# Allegro board P2597_B04_Allegro_layout.brd (continued)
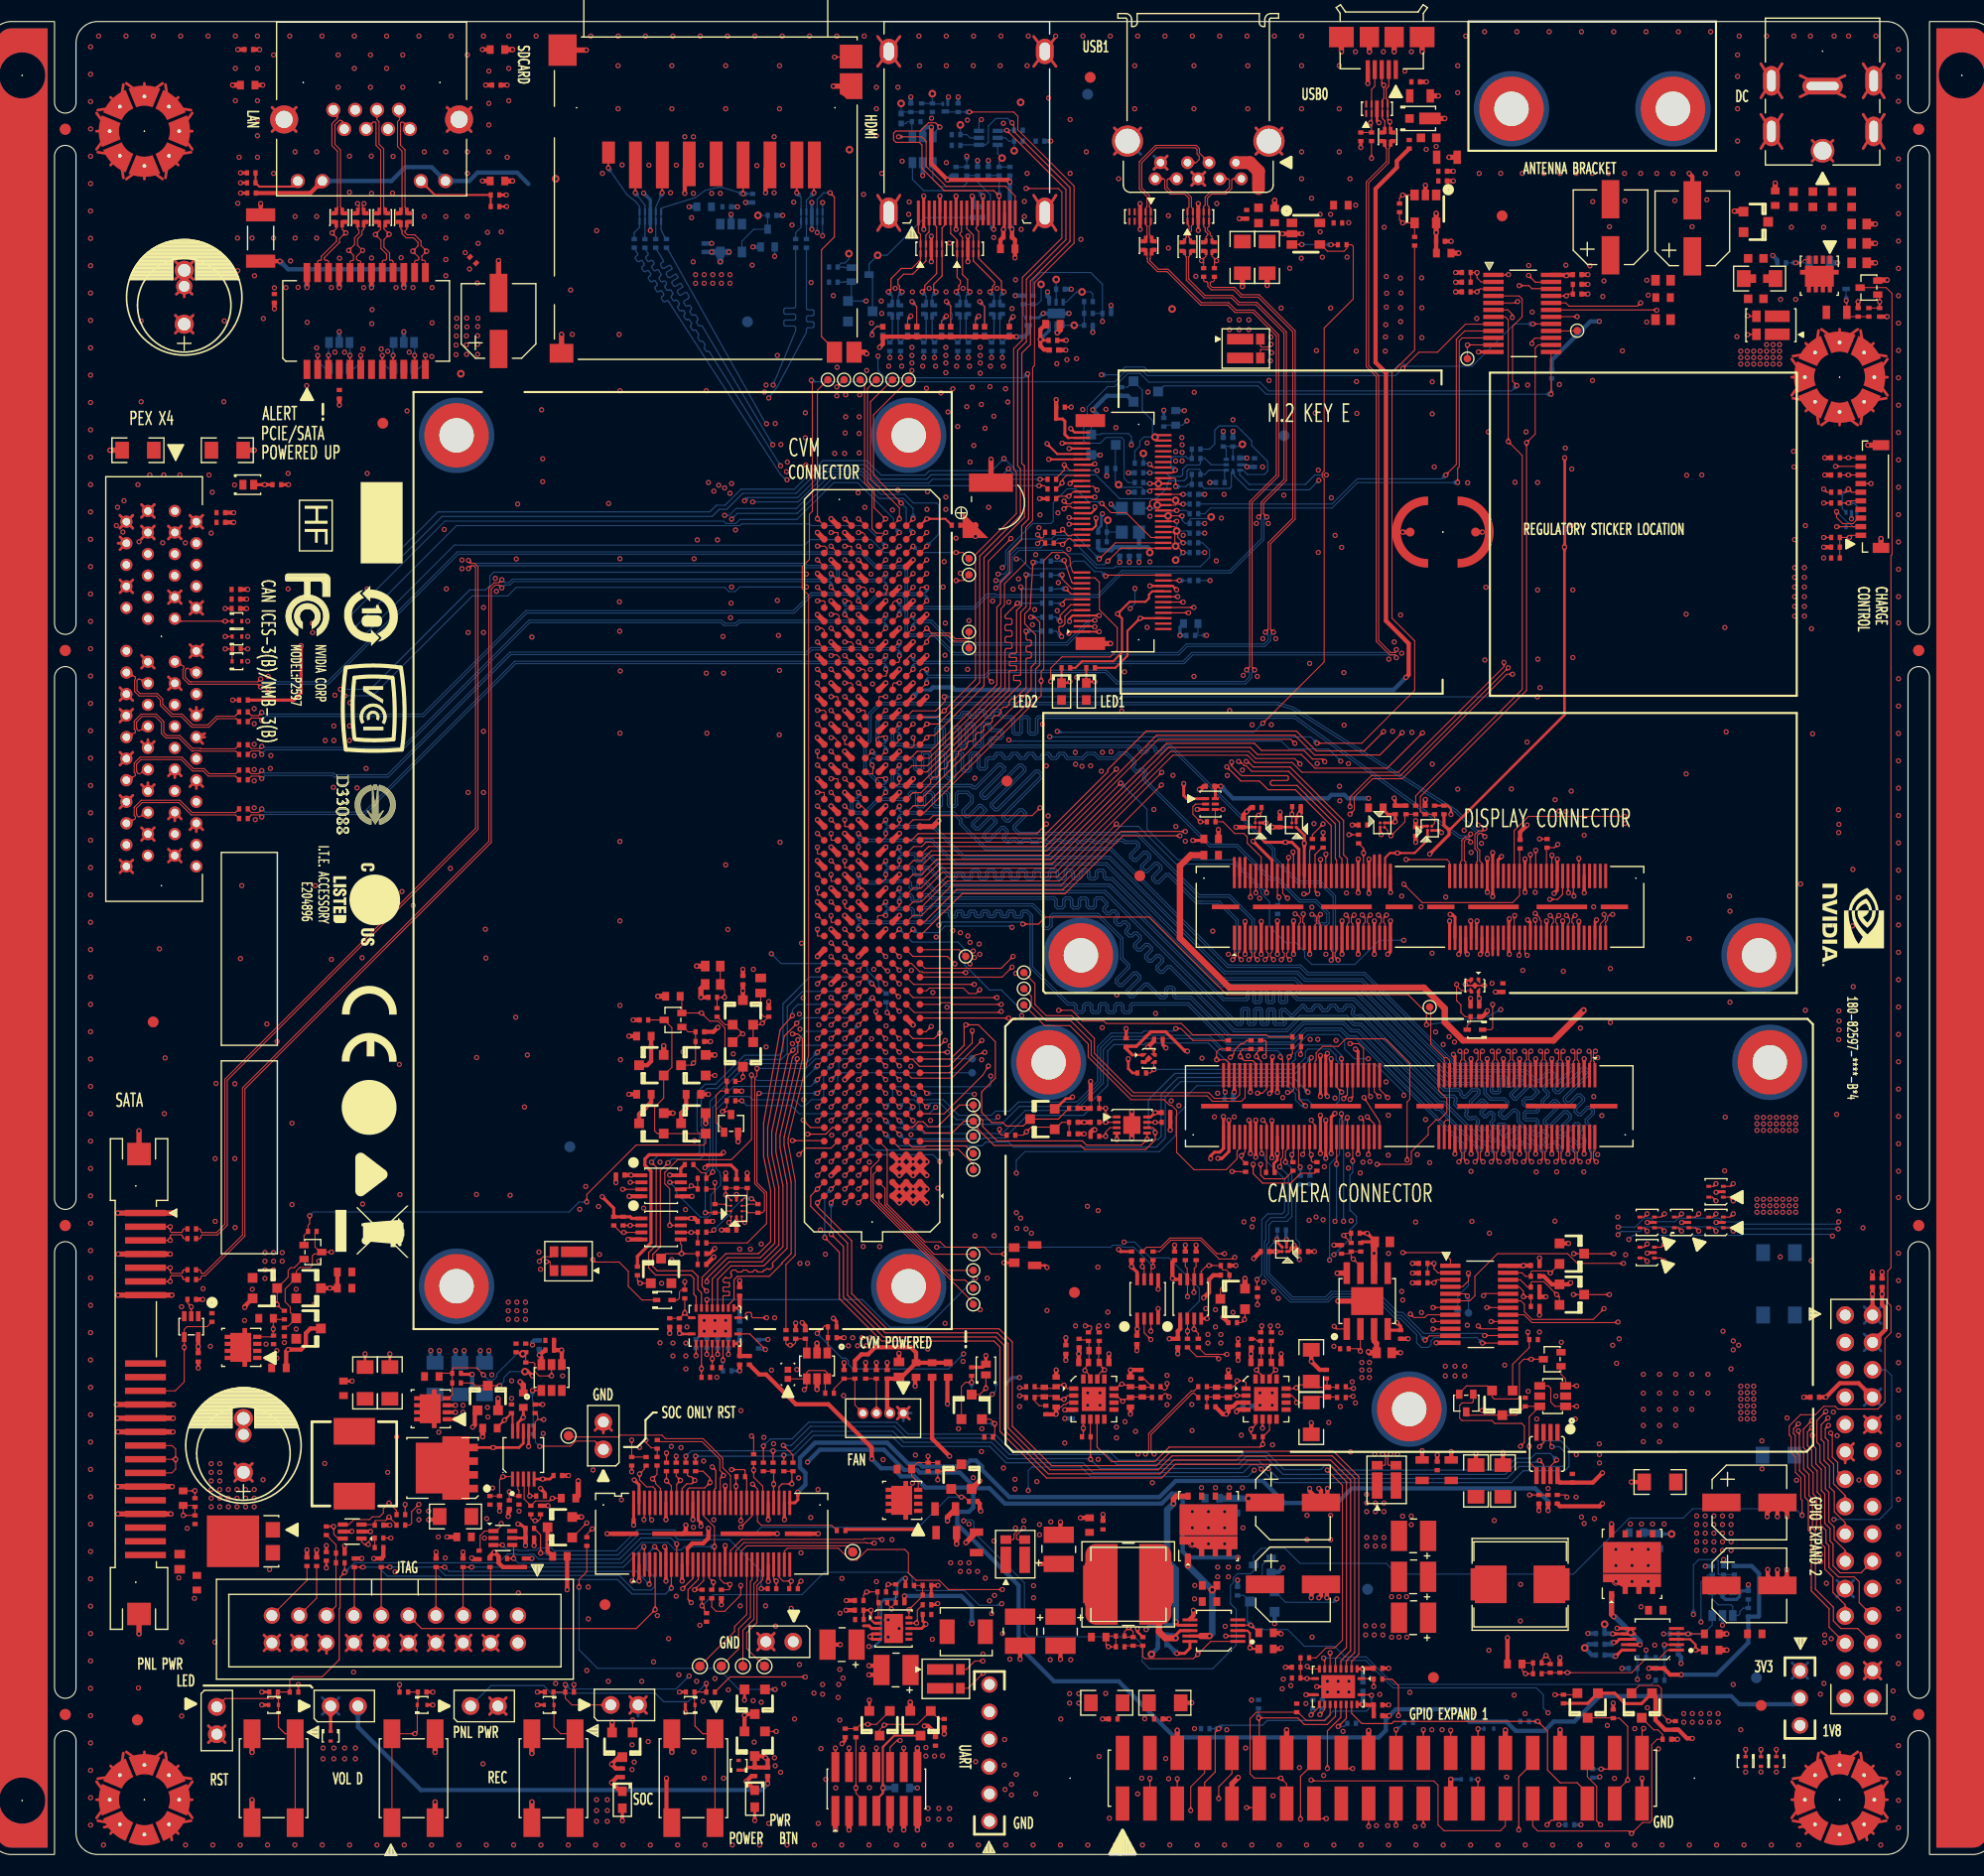
[diagram p0: board, top side]
## Routing (per net, layer and track width the routed paths; a pad name or vN(x,y) marks a point on that pad's centre or on a via; arc(x,y) is an arc through that point) (continued)
LED2_R_L: length 2.2
  TOP w0.2: v1(100.33,108.9) 100.2,108.77 CR3.1 R146.2
LED_D_D: length 2.8
  TOP w0.1: CR5.1 v1(92.52,43.28) 91.94,42.7 Q33.3
LED_G_PU: length 5.9
  TOP w0.1: Q33.1 90.25,43.45 90.62,43.83 v1(91.2,43.83) R306.2
  BOTTOM w0.1: Q32.3 v1(91.2,43.83)
LED_S_I: length 4.1
  TOP w0.1: Q33.2 92.94,40.41 v1(93.35,40) 93.35,38.93 R307.1
  BOTTOM w0.1: Q33.2 92.56,40 v1(93.35,40)
LED_VDD_CORE: length 52
  TOP w0.1: U3.4 48.65,28.6 v1(48.65,27.48) R48.2 ; J10.31 67.3,28.57 v1(67.31,28.58) 67.31,30.42 66.3,31.43 J10.28 ; 59.7,11.32 v1(59.7,12.48)
  L3 w0.1: v1(59.7,12.48) 61.03,12.48 61.72,13.17 61.72,16.15 62.08,16.51 62.08,18.18 61.38,18.88 61.38,24.01 62.05,24.68 62.05,26.98 63.38,28.31 67.03,28.31 v1(67.31,28.58)
  BOTTOM w0.1: v1(48.65,27.48) 49.07,27.06 58.69,27.06 60.36,28.72 60.36,28.74 60.59,28.97 62.96,28.97 63.65,28.28 64.21,28.28 64.51,28.58 v1(67.31,28.58)
LM3481_AGND: length 1.9
  TOP w0.25: R56.1 52.03,34.86 v1(51.35,34.86) U4.5
LM3481_COMP: length 5.9
  TOP w0.1: U4.3 49.62,34.78 49.62,33.01 R53.1 50.7,32.83 52,32.83 v1(52.25,33.08) C47.1
LM3481_COMP_R: length 1.9
  TOP w0.1: C45.1 51.15,31.17 50.95,30.98 v1(50.65,30.98) 50.45,30.98 50.25,31.19 R53.2
LM3481_FB: length 39.3
  TOP w0.1: R1.2 v1(19.05,33.78) 19.02,33.76 C3.2 ; U4.4 50.05,33.38 v1(50.15,33.28) R55.1
  L4 w0.1: v1(19.05,33.78) 19.05,31.98 20.98,30.05 32.2,30.05 32.65,30.51 34.84,30.51 36.06,31.73 37.32,31.73 37.56,31.48 41.85,31.48 43.65,33.28 v1(50.15,33.28)
LM3481_FB_R: length 4
  TOP w0.1: R2.2 v1(17.95,31.48) C3.1 18.93,32.41 R1.1 R2.2
LM3481_ISEN: length 3.9
  TOP w0.1: U4.1 48.55,35.03 48.5,35.08 v1(47.65,35.08) 47.35,34.78 C41.1 R42.2
LM3481_LG: length 6.1
  TOP w0.25: Q4.4 44.78,37.78 v1(46.75,37.78) 49.15,37.78 49.55,38.18 U4.8
LM3481_S:
  vias: v1(46.15,31.18)
LM3481_SD: length 2.5
  TOP w0.1: 50.88,40.38 50.65,40.15 50.65,39.4 U4.6 ; 50.88,40.38 v1(51.45,40.38) ; 50.88,40.38 50.88,40.45 50.88,40.45 50.88,40.74 R54.1
LM3481_SW:
  vias: v1(36.95,35.48)
LM3481_UVLO: length 3.5
  TOP w0.1: R49.1 v1(48.25,33.68) 48.65,33.28 R51.2 49.15,33.8 49.05,33.91 U4.2
LM3481_VCC: length 2.4
  TOP w0.25: 49.55,41.5 v1(49.55,40.58) 49.05,40.08 U4.9
LM3481_VIN: length 3.7
  TOP w0.19: U4.10 48.55,40.88 R50.2 v1(47.8,40.33) 47.12,39.66 C38.1
LOW_BAT: length 158.8
  TOP w0.1: J13.C7 v1(84.49,68.13) ; v1(171.55,124.68) 171.55,124.13 172.12,123.55 173.06,123.55 173.59,124.08 J27.3
  L3 w0.1: v1(128.05,73.88) 128.05,73.31 129.15,72.22 130.55,72.22 130.78,72.44 130.78,84.25 130.45,84.58 130.45,85.61 131.15,86.31 v1(131.15,88.98) ; v1(171.55,124.68) 172.35,123.88 172.35,122.02 172.83,121.54 172.83,98.8 171.33,97.29 171.33,96.79 172.35,95.77 172.35,95.48 v1(171.75,94.88)
  L4 w0.1: v1(131.15,88.98) 134.75,85.38 138.45,85.38 141.05,82.78 149.95,82.78 155.35,88.18 165.05,88.18 v1(171.75,94.88)
  BOTTOM w0.1: v1(171.55,124.68) 172.57,123.66 172.69,123.66 173.09,123.25 D34.4 ; v1(84.49,68.13) 85.04,67.58 89.21,67.58 89.42,67.79 93.95,67.79 95.61,69.45 100.91,69.45 103.18,71.72 103.18,74.91 104.22,75.95 107.19,75.95 107.29,76.05 113.29,76.05 114.52,74.83 121.15,74.83 122.45,76.13 125.3,76.13 125.85,75.58 125.85,74.79 126.76,73.88 v1(128.05,73.88)
M2_B_73: length 5.7
  TOP w0.2: J18.73 100.17,131.53
  TOP w0.28: 100.17,131.53 99.86,131.84 99.86,133.07 99.65,133.28 99.02,133.28
  TOP w0.4: 99.02,133.28 99.05,133.31 R145.1 v1(99.05,135.08)
M2_E_20: length 2.4
  TOP w0.1: J18.20 v1(110.51,118.28)
  BOTTOM w0.1: v1(110.51,118.28) R532.1
M2_E_59: length 3.1
  TOP w0.1: R143.1 99.6,127.33 v1(99.6,127.34) 99.65,127.38 99.65,127.68 100,128.03 J18.59
M2_E_61: length 3.5
  TOP w0.1: J18.61 100.3,128.53 v1(99.8,129.03) 99.8,128.53 99.05,127.78 R142.1
M2_E_ALERT_L: length 2.9
  TOP w0.1: v1(107.75,129.08) 108.05,128.78 J18.62
  BOTTOM w0.1: v1(107.75,129.08) 107.65,129.18 R537.2 v2(107.15,130.08)
M2_E_ALERT_R_L: length 42.5
  TOP w0.1: U29.13 v1(145.03,135.58)
  BOTTOM w0.1: Q39.3 109.04,136.36 117.78,136.36 118.55,135.58 v1(145.03,135.58) 145.09,135.64 R516.2
M2_E_ALERT_RS_L: length 11.2
  BOTTOM w0.1: R537.1 106.35,130.31 106.82,130.78 106.82,131.23 107.2,131.6 v2(108.23,131.6) 108,131.84 108,133.13 107.05,134.08 107.05,135.96 Q39.2 105.68,136.23 R320.2
MCT0: length 2.3
  TOP w0.4: v1(29.45,145.48) T1.24
  BOTTOM w0.4: R600.1 v1(29.45,145.48)
MCT1: length 2.3
  TOP w0.4: T1.21 v1(32.45,145.48)
  BOTTOM w0.4: v1(32.45,145.48) R599.1
MCT2: length 2.3
  TOP w0.4: T1.18 v1(35.45,145.48)
  BOTTOM w0.4: v1(35.45,145.48) R598.1
MCT3: length 2.3
  TOP w0.4: T1.15 v1(38.45,145.48)
  BOTTOM w0.4: v1(38.45,145.48) R597.1
MDI_CT:
  vias: v1(29.42,136.38)
MDM2AP_READY_1V8: length 99.6
  TOP w0.1: 85.12,71.3 v1(85.76,70.67) ; v1(110.15,76.68) 110.65,76.68 111.75,75.58 R189.2
  L3 w0.1: v1(123.4,120.89) 123.4,106.92 120.15,103.67 120.15,98.09 119.28,97.22 115.99,97.22 114.54,95.77 114.54,94.88 113.84,94.18 113.6,94.18 110.87,91.45 110.87,77.4 v1(110.15,76.68)
  L4 w0.1: v1(123.4,120.89) 112.86,120.89 v1(112.85,120.88)
  BOTTOM w0.1: R531.2 v1(112.85,120.88) ; v1(85.76,70.67) 86.35,70.08 88.57,70.08 90.02,68.63 93.03,68.63 93.41,69.02 94.69,69.02 95.55,69.87 100.98,69.87 102.9,71.79 102.9,74.6 102.9,74.61 102.9,75 104.16,76.26 107.02,76.26 107.2,76.44 109.91,76.44 v1(110.15,76.68)
MDM2AP_READY_1V8_R: length 4.8
  TOP w0.1: v1(110.85,120.88) 110.07,121.66 110.07,122.55 109.85,122.78 J18.38
  BOTTOM w0.1: R531.1 v1(110.85,120.88) v2(110.15,120.18)
MDM_COLDBOOT_1V8: length 77.9
  TOP w0.1: v1(94.85,122.18) 92.75,120.08 92.75,109.18 v1(93.05,108.88) ; 85.12,72.57 85.62,72.08 89.35,72.08 91.45,74.18 v1(92.42,74.48)
  L3 w0.1: v1(93.05,108.88) 93.74,108.19 93.74,103.06 92.75,102.06 92.75,82.75 92.65,82.66 92.65,79.7 92.55,79.61 92.55,75.18 92.42,75.05 v1(92.42,74.48)
  L4 w0.1: v1(112.85,123.58) 112.15,122.88 101.25,122.88 100.62,122.25 99.17,122.25 98.12,121.2 95.82,121.2 v1(94.85,122.18)
  BOTTOM w0.1: R528.2 v1(112.85,123.58)
MDM_COLDBOOT_1V8_R: length 5.4
  TOP w0.1: v1(110.75,124.28) J18.44
  BOTTOM w0.1: v2(113.45,124.18) 113.3,124.03 111.55,124.03 111.45,123.93 R528.1 111.05,123.58 110.75,123.88 v1(110.75,124.28)
MDM_EN: length 40.9
  TOP w0.1: v1(135.25,128.08) 136.22,129.06 136.22,140.68 137,141.46 U29.9
  BOTTOM w0.1: R526.2 124.68,125.38 127.02,127.72 134.89,127.72 v1(135.25,128.08)
MDM_EN_R: length 3.3
  TOP w0.1: J18.48 110.15,125.28 110.25,125.38 v1(110.85,125.38)
  BOTTOM w0.1: R526.1 v1(110.85,125.38) 110.5,125.38 v2(110.15,125.73)
MDM_RST_L: length 41.8
  TOP w0.1: U29.10 136.78,140.81 136.5,140.53 136.5,128.85 136.35,128.7 v1(136.35,127.38)
  BOTTOM w0.1: v1(136.35,127.38) 127.04,127.38 124.67,125 113.38,125 112.85,124.48 R527.2
MDM_RST_R_L: length 3.6
  TOP w0.1: v1(110.25,124.78) J18.46
  BOTTOM w0.1: R527.1 111.15,124.78 v1(110.25,124.78) 109.95,124.78 v2(109.45,124.28)
MDM_WAKE_AP_1V8: length 237.1
  TOP w0.1: v1(123.89,18.24) 124,18.13 U22.8 ; J13.A10 89.14,72.57 v1(92.15,75.58)
  L3 w0.1: v1(92.15,75.58) 92.15,79.88 92.34,80.07 92.34,82.75 92.55,82.95 92.55,102.28 93.45,103.18 93.45,107.76 92.62,108.59 92.62,109.1 93.75,110.23 93.75,114.97 93.15,115.57 v1(93.15,116.38) ; v1(124.97,122.47) 124.73,122.24 124.73,97.84 125.73,96.84 125.73,96.33 126.08,95.98 126.72,95.98 127.14,95.56 127.14,94.72 130.35,91.51 132.27,91.51 133.65,90.13 133.65,87.28 132.95,86.58 132.95,70.61 135.2,68.36 135.2,64.08 138.97,60.31 146.04,60.31 148.32,58.03 148.32,36.76 147.95,36.38 147.95,32.13 147.08,31.26 147.08,16.69 146.82,16.43 146.82,14.67 145.3,13.15 v1(144.75,13.15)
  L4 w0.1: v1(93.15,116.38) 93.15,116.68 95.95,119.48 110.45,119.48 112.85,121.88 v1(112.85,122.68) 124.76,122.68 v1(124.97,122.47)
  BOTTOM w0.1: v1(112.85,122.68) R529.2 ; v1(123.89,18.24) 125.45,18.24 125.67,18.02 127.8,18.02 130.36,15.47 143.66,15.47 144.3,14.83 144.3,13.6 v1(144.75,13.15)
MDM_WAKE_AP_1V8_R: length 3.4
  TOP w0.1: v1(110.25,123.78) J18.42
  BOTTOM w0.1: R529.1 111.25,122.88 v2(110.25,122.88) v1(110.25,123.78)
MDM_WAKE_AP_LVL: length 10.4
  TOP w0.1: v1(123.55,12.98) 124,13.43 U22.13 ; J21.18 125.54,8.39 125.95,7.98 v1(126.6,7.98)
  L3 w0.1: v1(123.55,12.98) 123.55,11.03 v1(126.6,7.98)
  BOTTOM w0.1: R332.1 123.55,13.36 v1(123.55,12.98)
MOTION_INT_AP_L: length 156.4
  TOP w0.1: Q28.2 153.2,15.68 155,15.68 155.28,15.41 155.28,13.05 v1(155.95,12.38) R263.2 ; J13.G14 v1(78.14,77.02) ; v1(115.38,63.41) 116.12,63.41 116.15,63.38 R192.1
  L3 w0.1: v1(155.95,12.38) 155.38,12.38 154.71,13.05 149.35,13.05 147.97,14.43 147.97,17.18 147.48,17.68 147.48,29.26 148.55,30.33 148.55,35.9 149.07,36.43 149.07,58.28 145.55,61.8 v1(145.55,63.38) ; v1(91.05,84.68) 90.94,84.57 89.32,84.57 87.6,82.84 86.32,82.84 86.03,82.55 84.39,82.55 84.35,82.53 84.29,82.51 84.06,82.28 84.06,81.99 83.38,81.31 83.03,81.31 82.17,80.44 81.86,80.44 81.25,79.84 81.25,79.19 80.94,78.87 80.64,78.87 78.79,77.02 v1(78.14,77.02) ; v1(114.05,70.68) 115.98,68.75 115.98,65.97 115.38,65.37 v1(115.38,63.41)
  L4 w0.1: v1(114.05,70.68) 113.57,71.16 105.1,71.16 100.52,75.73 99.2,75.73 94.95,79.98 93.11,79.98 90.8,82.29 90.54,82.29 90.05,82.78 90.05,83.68 v1(91.05,84.68) ; v1(145.55,63.38) 144.93,62.76 116.2,62.76 115.55,63.41 v1(115.38,63.41)
MOTION_INT_AP_L_LVL: length 25.2
  TOP w0.1: J21.31 143.32,2.65 143.79,2.18 152.26,2.18 v1(152.5,1.94) 153.53,2.96 154.19,2.96 154.38,3.16 154.38,10.2 154.88,10.7 R262.2 155.39,11.14 154.95,11.57 154.56,11.57 Q28.3
NVJTAG_SEL: length 26.4
  TOP w0.111: R148.2 99.25,68.28 Q22.3 95.99,67.63 94.41,67.63 94.09,67.96 93.06,67.96 92.12,68.9 92.12,70.8 93.4,72.08 93.4,75.45 91.82,77.03 v1(90.66,77.03) 90.5,76.87 90.5,75.13 89.21,73.84 J13.A11
NVSR_INT: length 65.3
  TOP w0.1: U28.19 142.22,51.41 142.55,51.08 142.55,50.38 143.25,49.68 148.95,49.68 v1(149.95,50.68) ; R253.2 v1(143.95,94.28)
  L3 w0.1: v1(143.95,94.28) 143.95,95.88 145.35,97.28 146.58,97.28 149.44,94.42 149.44,89.3 151.15,87.59 151.15,69.25 149.51,67.61 149.51,65.5 149.74,65.28 149.74,50.89 v1(149.95,50.68)
NVSR_INT_R: length 3.8
  TOP w0.1: v1(145.65,93.78) 145.35,93.48 R253.1 144.6,93.43 J23.98
OSC_EN: length 3.4
  BOTTOM w0.1: C515.1 Y501.1 ; C515.1 103.75,123.68 103.85,123.78 v2(103.85,123.88) ; C515.1 R545.1
P_P2_3V3: length 7
  TOP w0.4: J26.2 v1(174.89,52.03) C181.1
  BOTTOM w0.254: 174.11,50.86 J26.2 ; J26.2 175.67,49.3 ; J26.2 174.11,49.3 ; J26.2 175.67,50.86
P_P6_1V8: length 10.2
  TOP w0.4: C180.1 v1(175.78,52.03) 175.78,51.05 176.07,50.75 176.07,48.73 J26.4
  BOTTOM w0.254: 174.11,48.32 J26.4 ; J26.4 174.11,46.76 ; J26.4 175.67,46.76 ; J26.4 175.67,48.32
P_P8_5V: length 10.4
  TOP w0.4: J26.8 173.59,43.75 171.85,43.75 v1(170.55,42.45) C175.1
  BOTTOM w0.254: J26.8 175.67,41.68 ; J26.8 174.11,43.24 ; J26.8 175.67,43.24 ; J26.8 174.11,41.68
PCIE0_12V_LED: length 1.8
  TOP w0.3: R349.2 v1(25.52,127.18) CR6.2
PCIE0_L0_CLKREQ: length 67
  TOP w0.1: R6.1 v1(23.95,111.93) ; J13.C48 v1(84.49,121.47)
  L4 w0.1: v1(34.55,112.98) 25,112.98 v1(23.95,111.93)
  BOTTOM w0.1: v1(84.49,121.47) 83.9,120.88 83.05,120.88 81.85,122.08 76.2,122.08 75.69,121.57 43.14,121.57 v1(34.55,112.98)
PCIE0_L0_CLKREQ_R: length 13.2
  TOP w0.1: D21.1 R6.2 v1(21.85,111.93)
  L4 w0.1: v1(21.85,111.93) 21.14,111.93 20.02,110.81 18.78,110.81 17.63,109.66 13.97,109.66 13.51,110.12 13.51,110.9 12.67,111.74
PCIE0_L0_RST: length 77.1
  TOP w0.1: 17.18,114.74 17.41,114.5 v1(21.85,114.5) D19.1 ; J13.C49 v1(84.49,122.74)
  L4 w0.1: v1(21.85,114.5) 22.5,115.16 27.35,115.16 27.73,114.78 v1(33.25,114.78)
  BOTTOM w0.1: v1(33.25,114.78) 42.26,123.79 68.16,123.79 68.38,123.58 69.29,123.58 69.67,123.95 74.97,123.95 78.39,127.37 80.61,127.37 83.95,124.03 83.95,123.28 v1(84.49,122.74)
PCIE0_PRSNT_L: length 23.8
  TOP w0.1: v1(22.55,107.18) R7.2
  L3 w0.1: 14.67,92.74 13.75,93.66 13.75,105.81 15.42,107.48 17.48,107.48 17.97,106.99 19.48,106.99 19.67,107.18 v1(22.55,107.18)
PCIE_JTAG_TRST_PD: length 8.8
  TOP w0.1: R3.1 v1(21.85,115.68)
  L4 w0.1: v1(21.85,115.68) 21.09,114.92 18.39,114.92 17.53,115.78 15.63,115.78 14.67,116.74
PCIE_L1_CLKREQ: length 21.9
  TOP w0.1: R144.2 99.27,126.11 v1(100.22,126.11) 100.65,126.53 J18.53 ; J13.C47 v1(84.49,120.2)
  L4 w0.1: v1(84.49,120.2) 84.97,120.68 87.33,120.68 92.93,126.27 100.06,126.27 v1(100.22,126.11)
PCIE_L1_RST: length 38
  TOP w0.1: v1(110.85,126.28) J18.52 ; J13.E50 v1(80.68,124.01)
  L4 w0.1: v1(80.68,124.01) 81.72,124.01 82.35,123.38 86.15,123.38 86.45,123.08 86.45,122.48 86.85,122.08 87.92,122.08 92.75,126.92 95.99,126.92 97.18,128.11 102.19,128.11 102.97,127.34 106.09,127.34 107.25,126.18 110.28,126.18 110.38,126.28 v1(110.85,126.28)
  BOTTOM w0.1: v1(110.85,126.28) R525.2
PCIE_WAKE_L: length 101
  TOP w0.1: D20.1 v1(21.85,113.08) ; J13.D48 v1(83.22,121.47) ; J18.55 102.5,127.03 v1(102.85,126.68)
  L4 w0.1: v1(102.85,126.68) 102.67,126.5 92.87,126.5 87.25,120.88 84.45,120.88 83.86,121.47 v1(83.22,121.47) ; 14.67,114.74 15.52,115.58 17.45,115.58 18.35,114.68 21.07,114.68 21.4,114.36 21.4,113.53 v1(21.85,113.08) 22.65,113.88 v1(33.85,113.88)
  BOTTOM w0.1: v1(83.22,121.47) 81.31,123.38 76.31,123.38 76.15,123.54 69.83,123.54 69.67,123.38 43.35,123.38 v1(33.85,113.88)
PEX2_CKREQ_L: length 9.4
  TOP w0.1: TP16.1 90.41,118.28 v1(89.75,118.28) ; J13.C46 v1(84.49,118.93)
  L4 w0.1: v1(89.75,118.28) 88.55,117.08 85.45,117.08 85.14,117.39 85.14,118.27 v1(84.49,118.93)
PEX2_REFCLK_N: length 5.8
  TOP w0.101: J13.A42 v1(87.03,113.85) 87.45,113.43 87.45,113.4 89.14,113.4 89.67,112.88 90.85,112.88 90.95,112.98 TP17.1
PEX2_REFCLK_P: length 6
  TOP w0.101: J13.A41 v1(87.03,112.58) 87.03,112.76 87.45,113.18 89.05,113.18 89.57,112.66 90.85,112.66 90.95,112.55 TP18.1
PEX2_RST_L: length 16.6
  TOP w0.1: TP10.1 81.25,136.52 81.25,127.36 81.95,126.66 81.95,123.08 82.35,122.68 83.16,122.68 ; v1(83.22,122.74) 83.16,122.68 ; 83.16,122.68 J13.D49
PEX_CLK0_N: length 80.5
  TOP w0.101: J13.A45 86.39,117.58 86.48,117.66 v1(87.03,117.66) ; v1(25.15,109.15) 24.88,108.88 18.66,108.88 18.56,108.88 18.15,109.29 18.15,109.94 18.23,110.1 18.37,110.15 19.18,109.74
  BOTTOM w0.101: v1(87.03,117.66) 87.03,117.23 86.93,117.13 85.53,117.13 85.24,117.43 85.24,119.28 84.85,119.67 82.34,119.67 81.06,120.94 43.41,120.94 31.35,108.88 25.42,108.88 v1(25.15,109.15)
PEX_CLK0_P: length 80.6
  TOP w0.101: J13.A44 v1(87.03,116.39) ; v1(25.15,108.39) 24.88,108.66 18.75,108.66 18.75,108.66 18.47,108.66 17.93,109.2 17.93,109.99 18.03,110.2 17.99,110.33 17.18,110.74
  BOTTOM w0.101: v1(87.03,116.39) 87.03,116.81 86.93,116.91 85.44,116.91 85.02,117.33 85.02,119.19 84.76,119.45 82.24,119.45 80.97,120.72 43.51,120.72 31.44,108.66 25.42,108.66 v1(25.15,108.39)
PEX_CLK1_N: length 20.8
  TOP w0.101: v1(99.77,125.66) 100.04,125.39 100.39,125.39 100.53,125.53 J18.49 ; 85.12,118.29 v1(85.76,118.93)
  L4 w0.101: v1(99.77,125.66) 99.52,125.41 94.3,125.41 92.28,123.38 92.28,122.31 88.39,118.42 85.86,118.42 85.76,118.52 v1(85.76,118.93)
PEX_CLK1_P: length 20.8
  TOP w0.101: J18.47 100.53,125.03 100.39,125.17 100.04,125.17 99.8,124.93 v1(99.77,124.93) ; 85.12,117.02 v1(85.76,117.66)
  L4 w0.101: v1(85.76,117.66) 85.76,118.07 85.86,118.17 88.49,118.17 92.53,122.2 92.53,123.27 94.41,125.15 99.55,125.15 v1(99.77,124.93)
PEX_RX0_AP_N: length 32
  TOP w0.101: v1(100.25,124.13) 100.35,124.03 J18.43 ; 77.5,113.21 77.5,113.67 77.33,113.85 v1(76.87,113.85)
  L4 w0.101: v1(100.25,124.13) 100.07,123.95 94.31,123.95 93.13,122.77 93.13,120.97 88.07,115.91 82.48,115.91 81.23,114.66 80.35,114.66 79.93,114.24 79.93,113.48 79.78,113.34 77.38,113.34 v1(76.87,113.85)
PEX_RX0_AP_P: length 31.9
  TOP w0.101: v1(100.25,123.5) 100.27,123.53 J18.41 ; 77.5,111.94 v1(76.87,112.58)
  L4 w0.101: v1(76.87,112.58) 76.87,112.99 76.97,113.09 79.89,113.09 80.18,113.38 80.18,114.13 80.45,114.41 81.34,114.41 82.58,115.65 88.17,115.65 93.38,120.87 93.38,122.67 94.41,123.7 100.06,123.7 v1(100.25,123.5)
PEX_RX1_N: length 71.2
  TOP w0.101: J13.G40 78.93,110.83 78.93,111.13 78.68,111.38 78.21,111.38 v1(78.14,111.31)
  L4 w0.101: v1(78.14,111.31) 78.14,110.9 78.04,110.8 50.71,110.8 32.74,92.83 18.8,92.83 18.16,93.47 18.16,93.89 18.27,94.1 18.38,94.14 19.18,93.74
PEX_RX1_P: length 71.2
  TOP w0.101: J13.G39 v1(78.14,110.04)
  L4 w0.101: v1(78.14,110.04) 78.14,110.45 78.04,110.55 50.82,110.55 32.85,92.58 18.69,92.58 17.91,93.36 17.91,93.94 18.02,94.17 17.97,94.34 17.18,94.74
PEX_RX2_N: length 71.3
  TOP w0.101: J13.F41 80.2,112.1 80.2,112.37 79.99,112.58 v1(79.41,112.58)
  L4 w0.101: v1(79.41,112.58) 79.41,112.17 79.31,112.07 49.43,112.07 35.34,97.98 21.05,97.98 19.95,96.88 18.65,96.88 18.18,97.35 18.18,97.96 18.24,98.09 18.38,98.14 19.18,97.74
PEX_RX2_P: length 71.4
  TOP w0.101: J13.F40 v1(79.41,111.31)
  L4 w0.101: 17.18,98.74 17.97,98.34 18.02,98.2 18.02,98.2 17.93,98.02 17.93,97.25 18.55,96.63 20.05,96.63 21.16,97.73 35.45,97.73 49.54,111.82 79.31,111.82 79.41,111.72 v1(79.41,111.31)
PEX_RX3_N: length 69.6
  TOP w0.101: J13.G43 78.88,114.58 78.88,115 78.7,115.18 78.2,115.18 v1(78.14,115.12)
  L4 w0.101: 19.18,101.74 18.38,102.14 18.24,102.09 18.18,101.96 18.18,101.45 18.75,100.88 20.45,100.88 21.1,101.53 33.2,101.53 33.45,101.78 36.64,101.78 49.47,114.61 68.05,114.61 68.33,114.33 69.25,114.33 69.53,114.61 78.04,114.61 78.14,114.71 v1(78.14,115.12)
PEX_RX3_P: length 69.7
  TOP w0.101: J13.G42 v1(78.14,113.85)
  L4 w0.101: 17.18,102.74 17.97,102.34 18.02,102.2 17.93,102.02 17.93,101.35 18.64,100.63 20.55,100.63 21.21,101.28 33.3,101.28 33.55,101.53 36.75,101.53 49.58,114.36 67.95,114.36 68.23,114.08 69.36,114.08 69.64,114.36 78.04,114.36 78.14,114.26 v1(78.14,113.85)
PEX_RX4_N: length 66
  TOP w0.101: 77.5,117.02 v1(76.87,117.66)
  L4 w0.101: 17.18,106.74 17.97,107.14 18.02,107.27 17.95,107.4 17.88,107.47 17.88,108.11 18.65,108.88 19.75,108.88 20.95,110.08 33.84,110.08 38.13,114.37 45.64,114.37 48.42,117.15 76.77,117.15 76.87,117.25 v1(76.87,117.66)
PEX_RX4_P: length 66
  TOP w0.101: v1(76.87,116.39) 77.47,116.39 77.57,116.29 77.57,115.82 77.5,115.75
  L4 w0.101: v1(76.87,116.39) 76.94,116.46 76.94,116.8 76.84,116.9 48.52,116.9 45.75,114.12 38.24,114.12 33.95,109.83 21.05,109.83 19.86,108.63 18.75,108.63 18.13,108 18.13,107.58 18.16,107.55 18.24,107.39 18.38,107.34 19.18,107.74
PEX_TX0_AP_N: length 24.3
  TOP w0.101: v1(97.32,122.53) 97.61,122.24 97.77,122.24 97.9,122.37 97.9,122.63 C79.2 ; J13.E42 v1(80.68,113.85)
  L4 w0.101: v1(97.32,122.53) 97.12,122.32 95.96,122.32 95.27,123.01 94.75,123.01 94.04,122.3 94.04,120.95 94.04,120.95 94.04,120.85 87.83,114.63 83,114.63 83,114.63 82.69,114.63 81.4,113.34 80.88,113.34 80.68,113.53 v1(80.68,113.85)
PEX_TX0_AP_P: length 24.4
  TOP w0.101: J13.E41 v1(80.68,112.58) ; C80.2 98.02,121.77 97.77,122.02 97.62,122.02 97.32,121.73 v1(97.32,121.71)
  L4 w0.101: v1(80.68,112.58) 80.68,112.99 80.78,113.09 81.5,113.09 82.8,114.38 82.9,114.38 82.9,114.38 87.73,114.38 87.73,114.38 87.93,114.38 94.3,120.74 94.3,121.05 94.3,121.05 94.3,122.19 94.86,122.75 95.17,122.75 95.85,122.07 97.2,122.07 97.32,121.94 v1(97.32,121.71)
PEX_TX0_C_N: length 3.1
  TOP w0.101: C79.1 99.47,122.75 v1(99.65,123.03) 100.15,122.43 100.43,122.43 100.53,122.53 J18.37
PEX_TX0_C_P: length 2.9
  TOP w0.101: J18.35 100.53,122.03 100.41,122.15 100.17,122.15 v1(99.65,121.63) 99.52,121.75 C80.1
PEX_TX1_C_N: length 12.7
  TOP w0.101: C22.2 22.91,96.84 22.91,96.84 22.81,96.74 18.79,96.74 17.65,97.88 14.05,97.88 13.4,97.23 13.4,96.48 13.47,96.41 13.53,96.28 13.49,96.15 12.67,95.74
PEX_TX1_C_P: length 12.2
  TOP w0.101: C23.2 22.81,96.52 18.7,96.52 17.56,97.66 14.14,97.66 13.62,97.14 13.62,96.57 13.65,96.54 13.73,96.38 13.87,96.33 14.67,96.74
PEX_TX1_N: length 66.9
  TOP w0.101: C22.1 24.29,96.74 24.95,96.74 25.25,97.05 v1(25.25,97.08) ; J13.D40 v1(83.22,111.31)
  BOTTOM w0.101: v1(83.22,111.31) 83.22,110.89 83.12,110.78 48.76,110.78 34.75,96.78 25.55,96.78 v1(25.25,97.08)
PEX_TX1_P: length 67.2
  TOP w0.101: v1(25.25,96.32) 25.05,96.52 24.29,96.52 24.19,96.42 24.19,96.42 C23.1 ; J13.D39 83.2,109.4 83.28,109.48 83.28,109.64 83.35,109.71 83.35,109.91 v1(83.22,110.04)
  BOTTOM w0.101: v1(83.22,110.04) 83.22,110.46 83.12,110.56 48.85,110.56 34.84,96.56 25.48,96.56 v1(25.25,96.32)
PEX_TX2_C_N: length 12.9
  TOP w0.101: C20.2 22.81,100.34 20.38,100.34 19.9,100.82 18.91,100.82 17.85,101.88 13.95,101.88 13.4,101.33 13.4,100.48 13.47,100.41 13.53,100.28 13.49,100.15 12.67,99.74
PEX_TX2_C_P: length 12.4
  TOP w0.101: C21.2 22.91,100.02 22.91,100.02 22.81,100.12 20.28,100.12 19.81,100.59 18.82,100.59 17.76,101.66 14.04,101.66 13.62,101.24 13.62,100.57 13.65,100.54 13.73,100.38 13.87,100.33 14.67,100.74
PEX_TX2_N: length 67.2
  TOP w0.101: C20.1 24.19,100.44 24.19,100.44 24.29,100.34 24.95,100.34 v1(25.25,100.64) ; J13.C41 v1(84.49,112.58)
  BOTTOM w0.101: v1(25.25,100.64) 25.48,100.4 31.94,100.4 32.09,100.25 36.92,100.25 48.3,111.63 75.84,111.63 76.27,112.05 84.39,112.05 84.49,112.16 v1(84.49,112.58)
PEX_TX2_P: length 67.5
  TOP w0.101: J13.C40 84.39,110.67 84.49,110.77 v1(84.49,111.31) ; C21.1 24.29,100.12 25.01,100.12 v1(25.25,99.88)
  BOTTOM w0.101: v1(25.25,99.88) 25.55,100.18 31.85,100.18 32,100.03 37.01,100.03 48.39,111.41 75.94,111.41 76.37,111.83 84.4,111.83 84.49,111.74 v1(84.49,111.31)
PEX_TX3_C_N: length 14.1
  TOP w0.101: 12.67,103.74 13.49,104.15 13.53,104.28 13.47,104.41 13.4,104.47 13.4,105.23 14.05,105.88 15.45,105.88 16.15,105.18 16.15,104.18 16.45,103.88 17.65,103.88 18.82,102.71 19.58,102.71 19.63,102.66 22.78,102.66 C18.2
PEX_TX3_C_P: length 13.7
  TOP w0.101: 14.67,104.74 13.87,104.33 13.73,104.38 13.65,104.54 13.62,104.56 13.62,105.14 14.14,105.66 15.36,105.66 15.93,105.09 15.93,104.09 16.36,103.66 17.56,103.66 18.78,102.44 18.82,102.44 18.87,102.48 19.48,102.48 19.53,102.44 22.84,102.44 C19.2
PEX_TX3_N: length 66
  TOP w0.101: J13.D43 v1(83.22,115.12) ; C18.1 24.3,102.68 25.05,102.68 v1(25.25,102.88)
  BOTTOM w0.101: v1(83.22,115.12) 83.22,114.7 83.12,114.59 69.55,114.59 69.29,114.33 68.27,114.33 68,114.59 50.07,114.59 38.25,102.78 25.45,102.78 25.35,102.88 v1(25.25,102.88)
PEX_TX3_P: length 66.3
  TOP w0.101: C19.1 24.28,102.46 25.02,102.46 25.25,102.22 v1(25.25,102.12) ; J13.D42 v1(83.22,113.85)
  BOTTOM w0.101: v1(83.22,113.85) 83.22,114.27 83.12,114.37 69.64,114.37 69.38,114.11 68.17,114.11 67.91,114.37 50.16,114.37 38.34,102.56 25.59,102.56 25.25,102.22 v1(25.25,102.12)
PEX_TX4_C_N: length 13.7
  TOP w0.101: C16.2 22.92,105.85 22.92,105.84 22.76,105.68 21.05,105.68 20.25,104.88 18.85,104.88 17.85,105.88 16.95,105.88 16.05,106.78 16.05,107.28 15.55,107.78 13.95,107.78 13.66,108.07 13.66,108.97 13.73,109.1 13.86,109.15 14.67,108.74
PEX_TX4_C_P: length 14.1
  TOP w0.101: 12.67,109.74 13.48,109.33 13.53,109.2 13.44,109.02 13.44,107.97 13.86,107.56 15.46,107.56 15.83,107.19 15.83,106.69 16.86,105.66 17.76,105.66 18.76,104.66 20.34,104.66 21.14,105.46 22.87,105.46 C17.2
PEX_TX4_N: length 63.5
  TOP w0.101: v1(25.25,106.04) 24.96,105.74 24.29,105.74 C16.1 ; v1(80.68,117.66) 81.22,117.66 81.4,117.48 81.4,117.11 J13.E45
  BOTTOM w0.101: v1(25.25,106.04) 25.29,106.04 25.45,105.88 40.18,105.88 49.78,115.48 74.64,115.48 75.98,116.83 75.98,116.83 76.29,117.14 80.58,117.14 80.68,117.24 v1(80.68,117.66)
PEX_TX4_P: length 63.2
  TOP w0.101: J13.E44 v1(80.68,116.39) ; C17.1 24.19,105.42 24.19,105.42 24.29,105.52 25.01,105.52 v1(25.25,105.28)
  BOTTOM w0.101: v1(25.25,105.28) 25.63,105.66 40.27,105.66 49.87,115.26 74.73,115.26 76.38,116.91 80.57,116.91 80.68,116.8 v1(80.68,116.39)
PM_BUS_SEL: length 4.1
  TOP w0.1: R310.1 v1(70.95,35.68) 70.95,35.03 71.8,34.18 J10.50
PM_BUS_SEL_G: length 97.1
  TOP w0.1: v1(142.18,37.89) 142.55,38.26 142.55,39.78 142.31,40.02 139.8,40.02 139.53,40.29 136.75,40.29 136.53,40.51 136.53,41.7 136.76,41.92 137.67,41.92 137.8,42.05 Q36.1 ; R310.2 70.95,38.66 v1(70.75,38.85)
  L3 w0.1: v1(142.18,37.89) 142.18,36.46 141.7,35.98 141.7,32.95 v1(139.75,31.01)
  L4 w0.1: v1(139.75,31.01) 139.54,30.8 133.43,30.8 132.57,29.94 131.55,29.94 130.72,30.77 117.49,30.77 115.95,32.31 111.24,32.31 109.81,30.88 103.05,30.88 98.34,35.59 96.66,35.59 95.24,37.01 90.5,37.01 89.17,35.68 77.6,35.68 73.95,39.33 71.22,39.33 v1(70.75,38.85)
PM_VCC: length 11.4
  TOP w0.1: R305.1 78.2,30.55 71.67,30.55 71.3,30.93 J10.48 71.3,33.93 v1(70.85,34.38)
PMGND: length 11.1
  TOP w0.4: R195.2 117.15,47.02 v1(117.15,46.48) C116.1 ; C123.2 v1(119.95,46.48) ; C111.2 v1(115.05,44.98) ; U18.3 115.86,41.95 115.48,41.58 115.1,41.58 C112.1 115.05,41.08 v1(114.85,40.88) 114.53,40.88 R185.2 ; R191.1 v1(115.95,45.88) ; R211.2 123.53,45 v1(122.75,45.78) C129.1 ; C130.2 v1(122.75,40.08)
PMGND3: length 9.2
  TOP w0.1: C84.2 99.5,41.53 99.75,41.78 99.95,41.78 100.12,41.95 U10.3
  TOP w0.4: C95.1 v1(105.95,40.88) ; R163.2 105.96,44.99 v1(105.95,44.98) C94.1 ; C83.2 v1(99.05,44.98) ; R141.2 99.03,40.86 v1(99.05,40.88) C84.2 ; C91.1 v1(103.95,46.48) ; R147.1 v1(99.95,45.88) ; C87.2 v1(101.15,46.48) 101.18,46.51 R151.2
POWER_BTN: length 145.5
  TOP w0.111: v1(75.75,16.48) 68.75,16.48 R86.2 ; 85.12,123.37 v1(85.76,124.01)
  L3 w0.12: v1(75.75,16.48) 76.14,16.87 76.14,26.55 76.14,26.55 76.14,27.68 77.98,29.51 77.98,30.61 78.72,31.35 78.72,33.16 76.97,34.91 76.97,35.17 76.97,35.17 76.97,37.29 73.14,41.13 73.14,45.71 73,45.85 73,48.42 71.75,49.66 71.75,50.21 74.52,52.98 74.52,65.01 73.85,65.68 73.85,67.62 72.75,68.72 72.75,81 70.73,83.02 70.73,90.93 69.67,91.99 69.67,123.21 v1(68.9,123.98)